# Altium PCB bqCNC.PcbDoc (part 3 of 6) (continued)
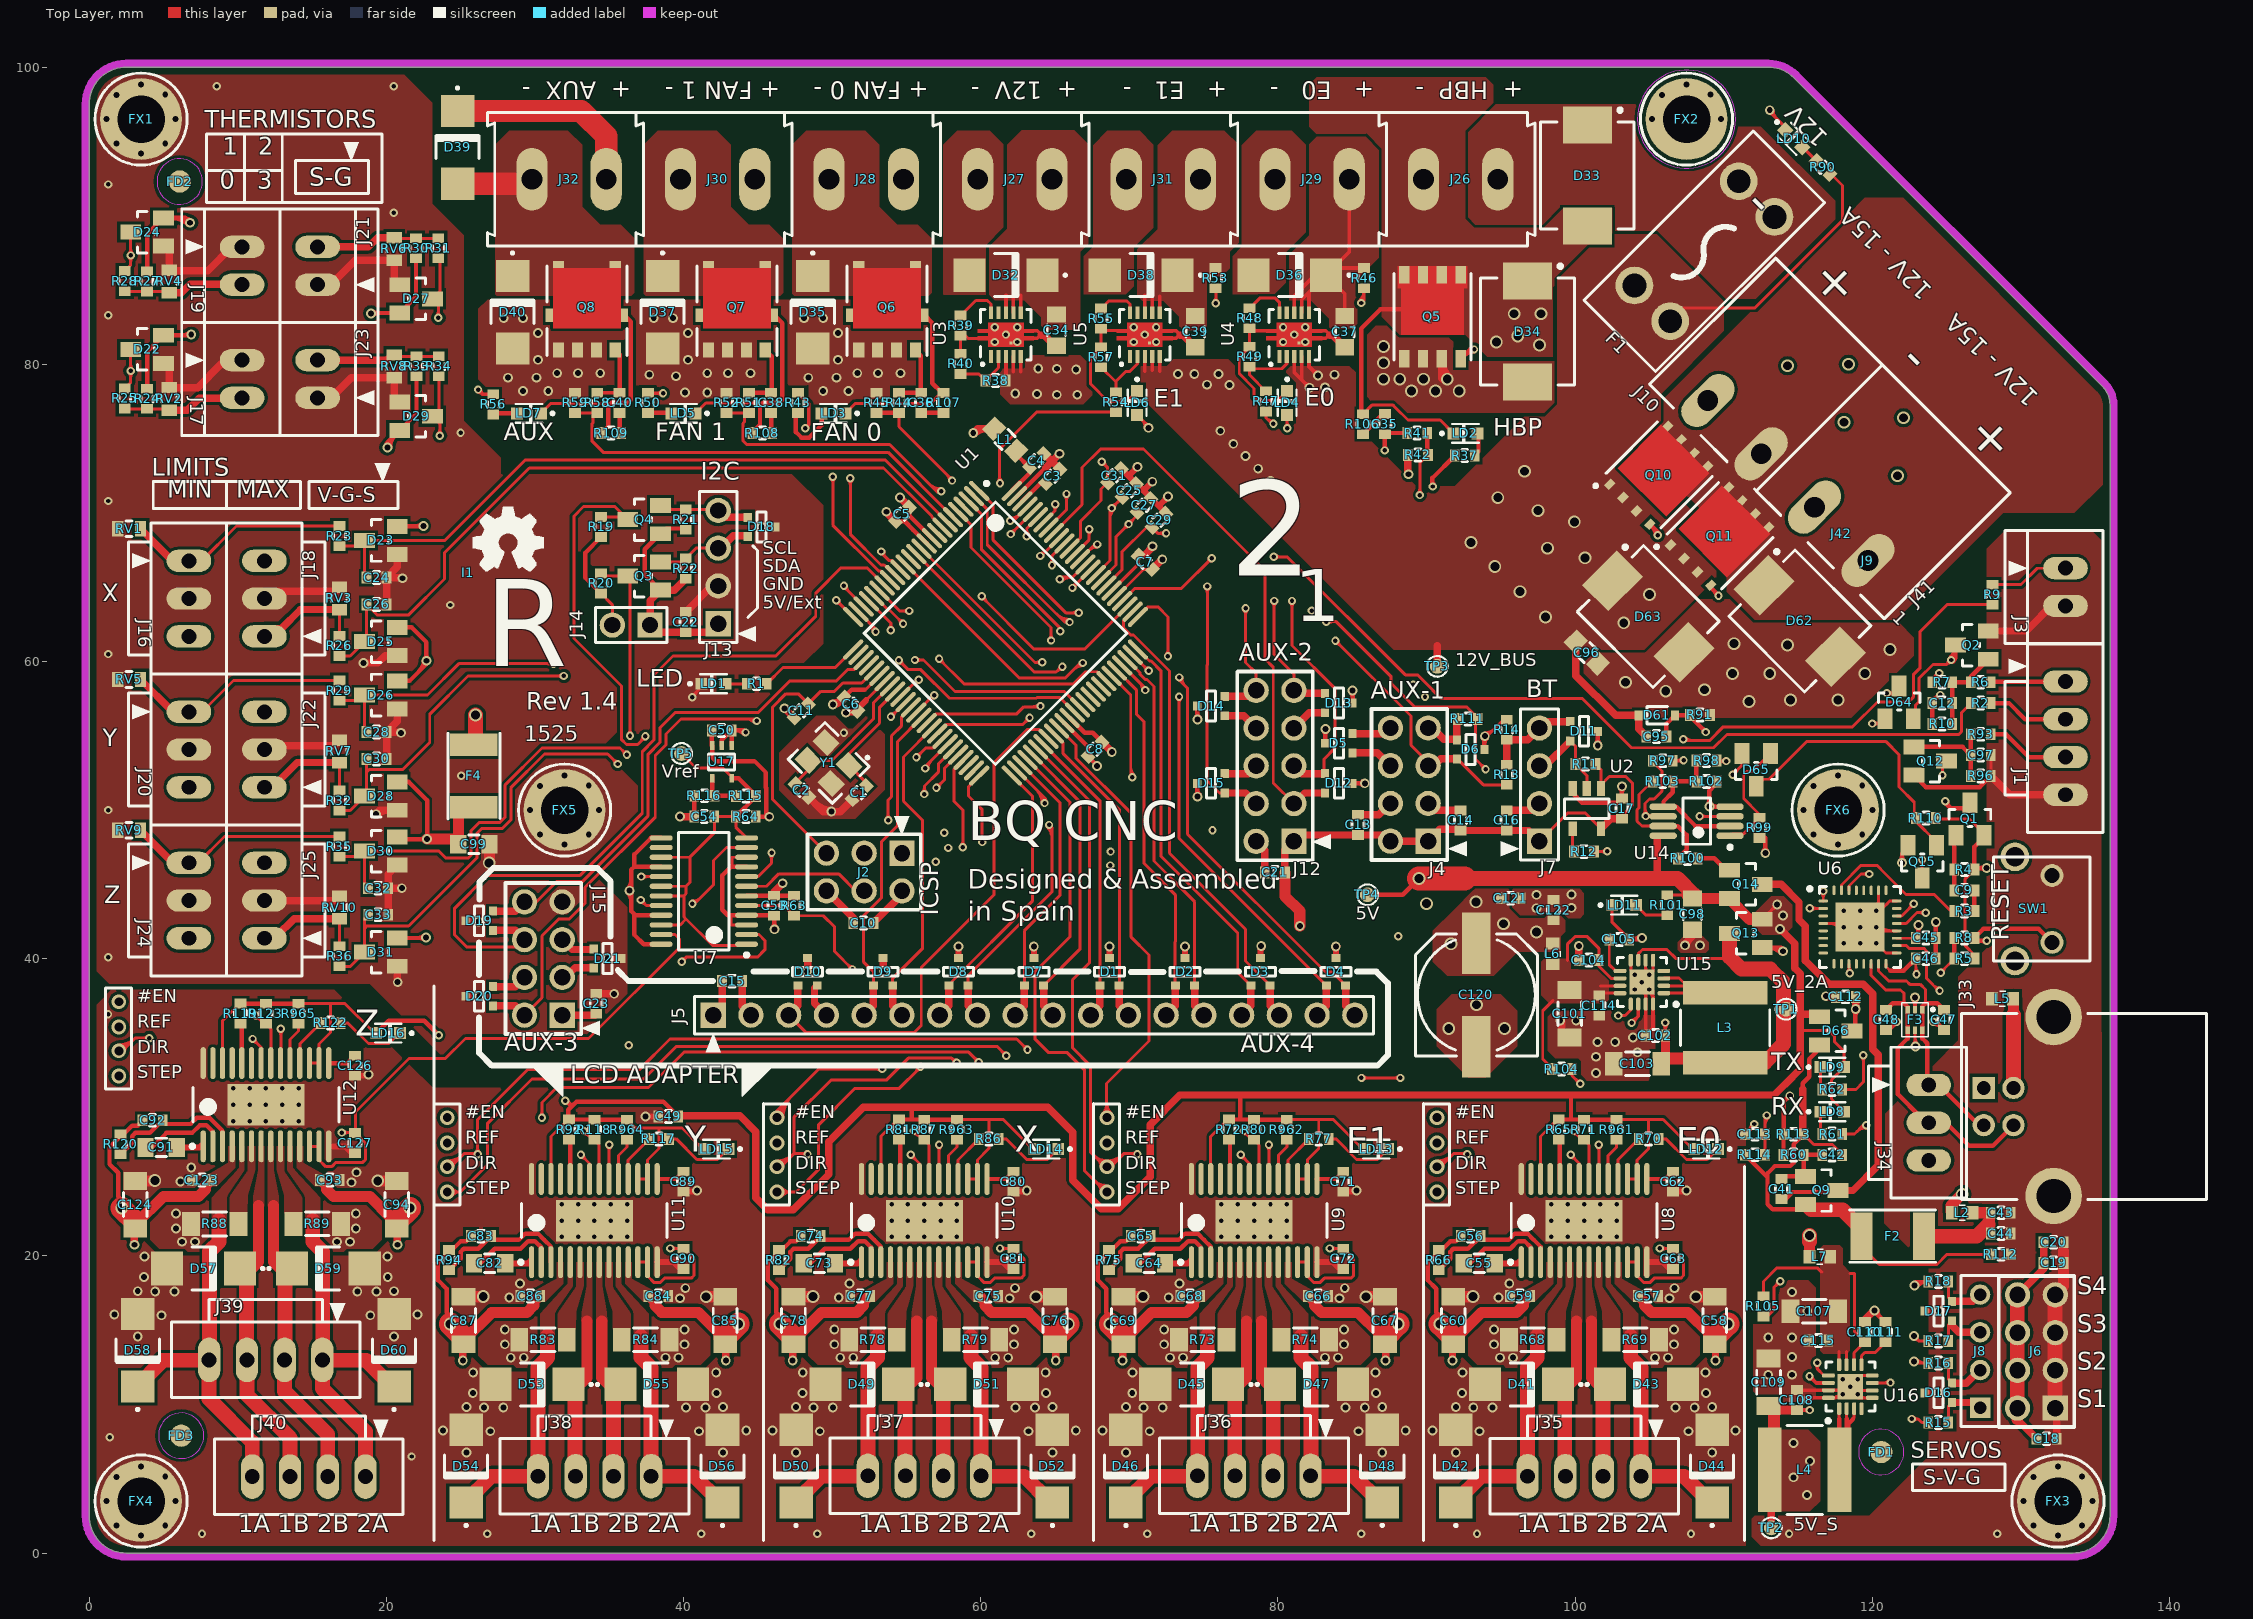
[diagram p0: Top Layer view]
## Nets (pads, with @x,y where several pads share a name; then routed paths per layer and width w, separated by ;. In a path a pad name is that pad's centre, name@x,y a point inside that pad or via, vN(x,y) a via of type N, cw(c..) or ccw(c..) an arc to the next point about the centre after c; other vN are vias at no path point) (continued)
EXT_RST: J1.1 R6.2 | length 5
  Top Layer w0.3: R6.2@127.975,58.6 128.025,58.65 J1.1@133,58.65
EXT_SCL: D18.1 J13.4 Q4.2 R21.2 | length 6.2
  Top Layer w0.2: Q4.2@38.45,70.5 38.9,70.5 39.175,70.225 R21.2@40.15,70.225 42.279,70.225 J13.4@42.34,70.164
  Top Layer w0.5: J13.4@42.34,70.164 42.804,69.7 D18.1@44.325,69.7
EXT_SDA: D18.2 J13.3 Q3.2 R22.2 | length 6.6
  Top Layer w0.2: Q3.2@38.45,66.7 39.925,66.7 R22.2@40.15,66.925 40.849,67.624 J13.3@42.34,67.624
  Top Layer w0.5: J13.3@42.34,67.624 42.524,67.624 43.35,68.45 44.275,68.45 D18.2@44.325,68.4
FANS_RAIL: C34.2 D32.K D39.K J27.1 J28.1 J30.1 J32.1 R43.2 R50.2 R56.2 U3.6 U3.7 U3.8 | length 64.8
  Top Layer w0.25: v2@26.175,78.145 cw(c26.175,77.771) 26.44,78.035 cw(c26.704,78.3) v2@26.33,78.3 ; v2(26.175,78.3) 26.5,77.975 R56.2@27.2,77.975 ; R50.2@37.6,78.075 37.625,78.05 v2(38.625,78.05) ; v2@38.515,77.94 ccw(c38.251,77.676) 38.251,78.05 ccw(c38.251,78.424) v2@38.515,78.16 ; R43.2@47.7,78.075 48.425,77.35 v2@48.425,75.925 ; v2(48.2,75.7) v2@48.425,75.925 ; v2@48.219,75.854 ccw(c48.249,76.101) v2@48.425,75.925 ; v2@48.354,75.719 cw(c48.601,75.749) v2@48.425,75.925 ; U3.8@61.7,83.475 61.7,84.65 ; U3.7@62.2,83.475 62.2,84.6 ; U3.6@62.7,83.475 62.7,84.625
  Top Layer w1.5: D39.K@24.8,97.05 33.1,97.05 34.8,95.35 J32.1@34.8,92.45
  Signal Layer 1 w0.25: v2(26.175,78.3) 28.975,81.1 34.6,81.1 35.4,81.9 ; v2@26.175,78.515 ccw(c26.175,79.034) 26.542,78.667 ccw(c26.909,78.3) v2@26.39,78.3 ; J32.1@34.8,92.45 35.4,91.85 35.4,81.9 ; v2@38.473,78.202 ccw(c38.106,78.569) 38.625,78.569 ccw(c39.144,78.569) v2@38.777,78.202 ; v2@38.625,77.835 cw(c38.625,77.316) 38.992,77.683 cw(c39.359,78.05) v2@38.84,78.05 ; v2@47.985,75.7 ccw(c47.466,75.7) 47.833,76.067 ccw(c48.2,76.434) v2@48.2,75.915 ; v2(48.2,75.7) 46.5,77.4 39.275,77.4 v2(38.625,78.05) 38.625,79.796 36.521,81.9 35.4,81.9
GND: C1.1 C2.1 C3.2 C4.1 C5.1 C6.1 C7.1 C8.1 C10.1 C11.1 C12.1 C13.2 C14.2 C15.2 C16.2 C17.1 C18.1 C19.1 C20.1 C21.1 C22.2 C23.1 C24.1 C25.1 C26.1 C27.1 C28.1 C29.1 C30.1 C31.1 C32.1 C33.1 C34.1 C37.1 C39.1 C43.1 C44.1 C45.1 C46.1 C47.1 C48.1 C49.1 C50.1 C53.1 C54.1 C57.1 C58.1 C59.1 C60.1 C62.1 C63.1 C66.1 C67.1 C68.1 C69.1 C71.1 C72.1 C75.1 C76.1 C77.1 C78.1 C80.1 C81.1 C84.1 C85.1 C86.1 C87.1 C89.1 C90.1 C93.1 C94.1 C96.1 C97.1 C98.1 C99.1 C101.1 C102.1 C103.1 C104.1 C105.1 C107.1 C108.1 C109.1 C110.1 C111.1 C112.1 C113.1 C114.1 C115.1 C120.2 C121.1 C122.1 C123.1 C124.1 C126.1 C127.1 D1.3 D2.3 D3.3 D4.3 D5.3 D6.3 D7.3 D8.3 D9.3 D10.3 D11.3 D12.3 D13.3 D14.3 D15.3 D16.3 D17.3 D18.3 D19.3 D20.3 D21.3 D22.1 D23.1 D24.1 D25.1 D26.1 D27.1 D28.1 D29.1 D30.1 D31.1 D32.A D34.A D35.A D36.A D37.A D38.A D40.A D41.A D42.A D43.A D44.A D45.A D46.A D47.A D48.A D49.A D50.A D51.A D52.A D53.A D54.A D55.A D56.A D57.A D58.A D59.A D60.A D62.A D63.A F3.2 FX1.1 FX2.1 FX3.1 FX4.1 FX5.1 FX6.1 J1.4 J2.6 J3.2 J4.3 J4.4 J5.2 J6.1 J6.3 J6.5 J6.7 J7.2 J10.2 J10.4 J12.2 J13.2 J15.7 J16.2 J17.1 J18.2 J19.1 J20.2 J21.1 J22.2 J23.1 J24.2 J25.2 J27.2 J29.2 J31.2 J33.5 J33.6 J42.2 L5.1 LD1.K LD4.K LD6.K LD10.K LD11.K Q2.2 Q5.1 Q5.2 Q5.3 Q6.1 Q6.2 Q6.3 Q7.1 Q7.2 Q7.3 Q8.1 Q8.2 Q8.3 Q12.2 Q15.2 R10.1 R14.1 R39.1 R40.1 R42.1 R45.1 R48.1 R49.1 R52.1 R55.1 R57.1 R59.1 R68.1 R69.1 R73.1 R74.1 R78.1 R79.1 R83.1 R84.1 R88.1 R89.1 R91.1 R96.2 R102.1 R112.2 R116.1 RV1.1 RV2.1 RV3.1 RV4.1 RV5.1 RV6.1 RV7.1 RV8.1 RV9.1 RV10.1 SW1.1 U1.11 U1.32 U1.62 U1.81 U1.99 U2.3 U3.11 U4.11 U5.11 U6.4 U6.17 U6.20 U6.24 U6.26 U6.33 U7.3 U7.4 U7.9 U7.10 U7.13 U7.16 U7.21 U7.24 U8.14 U8.28 U8.29 U9.14 U9.28 U9.29 U10.14 U10.28 U10.29 U11.14 U11.28 U11.29 U12.14 U12.28 U12.29 U14.4 U15.5 U15.6 U15.8 U15.15 U15.16 U16.5 U16.6 U16.8 U16.15 U16.16 U17.1 U17.2 Y1.2 Y1.4 | length 391
  Top Layer w0.2: v2(40.6,57.6) 40.6,57.7 LD1.K@41.4,58.5 ; v2@40.78,57.6 cw(c41.456,57.6) 40.978,58.078 ; 43.175,42.925 43.2,42.9 43.2,42.275 U7.3@44.25,42.275 ; 43.175,46.175 43.275,46.275 43.275,46.825 U7.10@44.25,46.825 ; v1(45.25,69.05) D18.3@46.175,69.05 ; v1@45.413,68.887 cw(c45.805,68.495) 45.805,69.05 cw(c45.805,69.605) v1@45.413,69.213 ; 52.3,57.4 53.54,58.64 U1.32@53.54,58.683 ; R40.1@58.65,80.7 58.65,81.931 R39.1@58.652,81.933 58.967,81.933 59.15,81.75 60.125,81.75 ; U1.81@68.814,64.764 70.599,66.549 C7.1@70.599,67.15 ; 69.375,82.275 68.45,82.275 68.325,82.4 R55.1@68.1,82.4 R57.1@68.1,81.15 67.4,80.45 67.4,78.676 68.576,77.5 69.825,77.5 LD6.K@70.525,78.2 ; C31.1@69.475,72.975 C31.1@69.477,72.977 ; R48.1@78.1,82.425 R49.1@78.1,81.175 77.4,80.475 77.4,79.376 78.4,78.376 78.4,77.826 78.676,77.55 79.975,77.55 LD4.K@80.625,78.2 ; v1@93.85,54.975 94.075,54.975 95.175,56.075 R14.1@95.4,56.075 ; v1@93.925,55.005 ccw(c93.925,55.44) v1@94.232,55.132 ; v1@93.925,55.205 ccw(c93.925,56.122) 94.574,55.474 ; LD11.K@102.5,43.6 102.5,42.45 C105.1@103.65,41.3 ; U15.8@103.75,39.9 U15.16@103.75,39.25 ; U15.16@103.821,39.179 ccw(c104,39.358) U15.16@104,39.105 ; U15.16@103.826,38.97 ccw(c103.544,39.044) U15.16@103.75,39.25 ; U15.16@104,39 U15.16@103.75,39.25 ; v2(104.5,38.425) v2(105,38.925) U15.16@105.25,39.175 ; U15.16@104.5,38.605 ccw(c104.5,39.04) 104.807,38.732 ccw(c105.115,38.425) U15.16@104.68,38.425 ; U15.16@104.577,38.599 ccw(c104.325,39.036) U15.16@104.822,38.954 ; U15.16@104.674,38.502 cw(c105.111,38.25) U15.16@105.029,38.747 ; U15.16@104.75,38.925 U15.6@104.75,39.9 ; 104.75,39.446 ccw(c105.476,39.446) U15.16@104.987,38.91 ; U15.16@104.82,38.925 cw(c104.385,38.925) 104.693,38.618 cw(c105,38.31) U15.16@105,38.745 ; U15.16@105.013,38.91 ccw(c104.524,39.446) 105.25,39.446 ; U15.16@105.028,39.103 ccw(c105.068,39.357) U15.16@105.25,39.175 ; U15.16@105.178,38.953 cw(c105.432,38.993) U15.16@105.25,39.175 ; U15.5@105.25,39.9 U15.16@105.25,39.175 ; v1@113.1,96.87 cw(c113.1,96.556) 113.322,96.778 ; v1(113.1,97.1) 113.1,97 114.145,95.955 LD10.K@114.145,95.738 ; v1@113.33,97.1 ccw(c114.127,97.1) 113.563,96.537 ; U6.4@116.7,42.375 U6.33@118.925,42.375 ; 117.037,42.375 cw(c117.037,41.087) U6.33@117.948,41.998 ; 117.52,42.375 cw(c117.52,41.57) U6.33@118.089,42.139 ; U6.33@118.059,42.137 cw(c118.53,41.791) U6.33@118.53,42.375 ; U6.33@118.137,42.375 cw(c118.137,41.087) U6.33@119.048,41.998 ; U6.33@118.22,42.018 cw(c118.925,41.5) U6.33@118.925,42.375 ; U6.33@118.62,42.375 cw(c118.62,41.57) U6.33@119.189,42.139 ; U16.16@118.8,10.7 119.05,10.45 U16.5@120,10.45 ; U6.33@118.997,42.153 ccw(c118.743,42.193) U6.33@118.925,42.375 ; U16.16@119.01,10.687 ccw(c119.546,11.176) 119.546,10.45 ; U16.16@119.01,10.713 cw(c119.546,10.224) 119.546,10.95 ; U16.16@119.025,10.95 U16.6@120,10.95 ; U16.16@119.1,11.95 U16.8@120,11.95 ; U6.33@119.147,42.303 cw(c119.107,42.557) U6.33@118.925,42.375 ; U6.33@119.161,42.111 ccw(c119.73,42.68) U6.33@119.73,41.875 ; U6.33@119.175,41.945 cw(c119.175,41.51) 119.482,41.818 cw(c119.79,42.125) U6.33@119.355,42.125 ; U6.33@119.175,42.105 ccw(c119.175,42.66) U6.33@119.568,42.268 ; U6.33@119.175,42.305 ccw(c119.175,43.343) U6.33@119.909,42.609 ; U6.33@119.302,42.252 ccw(c120.213,43.163) U6.33@120.213,41.875 ; U6.33@119.791,42.491 ccw(c119.057,43.225) U6.33@120.095,43.225 ; U6.33@119.82,41.875 ccw(c119.82,42.459) U6.33@120.291,42.113 ; U6.33@120.095,41.025 ccw(c119.66,41.025) 119.968,41.332 ccw(c120.275,41.64) U6.33@120.275,41.205 ; U6.33@120.13,42.232 cw(c119.425,42.75) U6.33@119.425,41.875 ; U6.33@120.132,42.832 ccw(c119.74,43.225) U6.33@120.295,43.225 ; U6.33@120.148,43.352 ccw(c119.478,44.022) 120.425,44.022 ; U6.33@120.261,42.111 ccw(c120.83,42.68) 120.83,41.875 ; U6.33@120.275,40.845 cw(c120.275,40.41) 120.582,40.718 cw(c120.89,41.025) U6.33@120.455,41.025 ; U6.33@120.275,43.205 ccw(c120.275,43.76) U6.33@120.668,43.368 ; U6.33@120.275,43.405 ccw(c120.275,44.443) 121.009,43.709 ; U6.33@120.289,43.211 ccw(c119.961,43.539) U6.33@120.425,43.539 ; U6.33@120.402,42.252 ccw(c121.313,43.163) 121.313,41.875 ; U6.33@120.425,43.375 U6.26@120.425,44.6 ; U6.17@121.65,40.375 120.925,40.375 v2(120.275,41.025) U6.33@119.425,41.875 ; U6.20@121.65,41.875 U6.33@119.425,41.875 ; U6.24@121.65,43.875 121.175,43.875 119.425,42.125 v2(119.175,42.125) ; R96.2@127.975,52.3 C97.1@127.975,53.7 ; U6.33@118.925,42.375 v2(119.175,42.125) ; v2(119.175,42.125) U6.33@119.425,41.875 ; U6.33@119.425,41.875 ccw(c119.243,41.693) 119.203,41.947 cw(c119.243,41.693) U6.33@119.425,41.875 ; U6.33@119.425,41.875 cw(c119.607,42.057) 119.353,42.097 ccw(c119.607,42.057) U6.33@119.425,41.875
  Top Layer w0.25: 63.275,81.75 63.8,81.75 64.05,82 ; 63.3,82.25 63.8,82.25 64.05,82 ; 64.075,81.95 64.05,81.975 64.05,82 ; 72.625,81.75 73.15,81.75 73.4,82 ; 72.65,82.25 73.15,82.25 73.4,82 ; 73.425,81.95 73.4,81.975 73.4,82 ; R48.1@78.1,82.425 78.325,82.425 78.5,82.25 79.325,82.25 ; 82.7,81.75 83.225,81.75 83.475,82 ; 82.725,82.25 83.225,82.25 83.475,82 ; 83.5,81.95 83.475,81.975 83.475,82 ; U15.16@104.39,38.315 cw(c103.522,37.447) 104.75,37.447 ; U15.16@104.463,38.274 cw(c104.314,37.665) U15.16@104.857,37.979 ; U15.16@104.466,38.274 cw(c104.332,37.678) U15.16@104.861,37.983 ; v2(104.5,38.425) U15.16@104.75,38.175 ; U15.16@104.506,38.27 cw(c104.52,37.945) U15.16@104.75,38.175 ; U15.16@104.511,38.27 cw(c104.531,37.987) U15.16@104.776,38.129 ; U15.16@104.516,38.271 cw(c104.543,38.021) U15.16@104.76,38.147 ; U15.16@104.567,38.492 cw(c104.126,38.051) U15.16@104.75,38.051 ; U15.16@104.651,38.459 ccw(c105.247,38.593) U15.16@104.942,38.064 ; U15.16@104.651,38.462 ccw(c105.26,38.611) U15.16@104.946,38.068 ; U15.16@104.654,38.409 ccw(c104.904,38.382) U15.16@104.778,38.165 ; U15.16@104.655,38.414 ccw(c104.938,38.394) U15.16@104.796,38.149 ; U15.16@104.655,38.419 ccw(c104.98,38.405) U15.16@104.75,38.175 ; C102.1@104.725,34.825 C102.1@104.75,34.85 ; 104.75,37.551 cw(c105.374,37.551) U15.16@104.933,37.992 ; U15.16@104.845,37.925 ccw(c104.471,37.925) 104.735,38.19 ccw(c105,38.454) U15.16@105,38.08 ; U15.16@104.845,37.931 ccw(c104.52,37.945) U15.16@104.75,38.175 ; U15.16@104.953,37.777 cw(c104.836,37.406) 105.225,37.406 ; U15.16@104.994,38.08 cw(c104.98,38.405) U15.16@104.75,38.175 ; U15.16@105.029,38.016 cw(c104.944,37.748) U15.16@105.225,37.748 ; U15.16@105.225,37.8 105.225,37.458 105.25,37.433 U15.16@105.25,36.95 105.25,35.35 C102.1@104.75,34.85 ; C108.1@114.925,10.975 C108.1@114.95,10.95 ; 117.547,10.95 ccw(c117.547,12.178) U16.16@118.415,11.31 ; 117.652,10.95 cw(c117.652,10.328) U16.16@118.092,10.767 ; U16.16@117.874,10.734 cw(c117.583,10.798) 117.583,10.5 ; U16.16@118.025,10.855 ccw(c118.025,11.229) 118.29,10.965 ccw(c118.554,10.7) U16.16@118.18,10.7 ; U16.16@118.031,10.855 ccw(c118.045,11.18) U16.16@118.275,10.95 ; U16.16@118.079,10.843 ccw(c117.765,11.386) U16.16@118.374,11.237 ; U16.16@118.083,10.839 ccw(c117.778,11.368) U16.16@118.374,11.234 ; U16.16@118.151,10.95 ccw(c118.151,11.574) U16.16@118.592,11.133 ; U16.16@118.164,10.758 cw(c118.693,10.453) U16.16@118.559,11.049 ; U16.16@118.168,10.754 cw(c118.711,10.44) U16.16@118.562,11.049 ; U16.16@118.18,10.706 cw(c118.505,10.72) U16.16@118.275,10.95 ; U16.16@118.2,10.5 117.583,10.5 ; U16.16@118.229,10.924 ccw(c118.087,11.169) U16.16@118.37,11.189 ; U16.16@118.247,10.94 ccw(c118.121,11.157) U16.16@118.371,11.184 ; U16.16@118.249,10.904 cw(c118.494,10.762) U16.16@118.514,11.045 ; U16.16@118.265,10.922 cw(c118.482,10.796) U16.16@118.509,11.046 ; U16.16@118.37,11.194 cw(c118.045,11.18) U16.16@118.275,10.95 ; U16.16@118.519,11.045 ccw(c118.505,10.72) U16.16@118.275,10.95 ; v2(118.525,11.2) U16.16@118.275,10.95 ; C102.1@104.75,34.85 U15.15@104.75,36.95 U15.16@104.75,38.175 ; C108.1@114.95,10.95 115.45,10.45 U16.16@117.05,10.45 117.533,10.45 117.583,10.5 ; C108.1@114.95,10.95 U16.15@117.05,10.95 U16.16@118.275,10.95
  Top Layer w0.3: v1@36.248,44.448 cw(c35.651,43.851) 36.495,43.851 ; v1@36.248,44.702 ccw(c35.651,45.299) 36.495,45.299 ; v1(36.375,44.575) 36.275,44.675 v1@36.495,44.675 ; U7.24@38.5,40.975 37.325,40.975 36.7,41.6 36.7,43 ; U7.21@38.5,42.925 36.775,42.925 36.7,43 ; U7.16@38.5,46.175 36.725,46.175 36.7,46.2 ; U7.13@38.5,48.125 37.808,48.125 36.7,47.017 36.7,46.2 ; C54.1@40.722,49.56 40.722,50.947 R116.1@40.75,50.975 ; U17.2@42.585,54.344 42.585,54.735 C50.1@43.175,55.325 ; U17.1@43.25,54.325 43.244,54.331 C50.1@43.244,55.365 44.01,55.365 v2@44.125,55.25 ; C50.1@43.523,55.365 cw(c43.523,54.573) v2@44.083,55.133 ; U7.9@44.25,46.175 43.175,46.175 42.6,45.6 42.6,43.3 42.975,42.925 43.175,42.925 U7.4@44.25,42.925 45.657,42.925 C53.1@46.097,42.885 46.097,42.003 v1(46.125,41.975) ; v1@45.998,42.102 ccw(c45.758,42.342) v1@46.097,42.342 ; 46.097,42.477 ccw(c46.627,42.477) v1@46.252,42.102 ; C5.1@54.255,69.433 54.881,69.433 55.443,68.871 U1.11@56.368,67.946 ; U1.99@62.45,71.128 64.375,73.053 ; U1.62@65.985,56.208 66.996,55.196 67.544,55.196 C8.1@68.172,54.569 ; v1@74.473,51.027 ccw(c74.226,51.274) 74.575,51.274 ; v1@74.473,56.227 ccw(c74.226,56.474) 74.575,56.474 ; 74.575,51.395 ccw(c75.095,51.395) v1@74.727,51.027 ; D15.3@74.575,51.8 74.575,50.925 v1(74.6,50.9) ; 74.575,56.595 ccw(c75.095,56.595) v1@74.727,56.227 ; D14.3@74.575,57 74.575,56.225 74.6,56.2 v1@74.6,56 ; v1@83.073,55.323 cw(c82.826,55.076) 83.175,55.076 ; D5.3@83.175,54.5 83.175,55.425 v1(83.2,55.45) ; 83.175,54.955 cw(c83.695,54.955) v1@83.327,55.323 ; v1@84.898,57.923 cw(c84.59,57.615) 85.025,57.615 cw(c85.46,57.615) v1@85.152,57.923 ; D12.3@85.025,51.8 v1(85.85,51.8) ; D13.3@85.025,57.2 v1(85.025,58.05) ; v1@85.723,51.673 ccw(c85.415,51.365) 85.415,51.8 ccw(c85.415,52.235) v1@85.723,51.927 ; v1@93.798,54.848 cw(c93.551,54.601) 93.9,54.601 ; D6.3@93.9,54.078 v1@93.9,54.996 ; 93.9,54.48 cw(c94.42,54.48) v1@94.052,54.848 ; U2.3@99.84,51.446 99.84,51.126 100.466,50.5 102.875,50.5 C17.1@103.15,50.775 v1@103.15,51.625 ; v1@101.398,54.477 ccw(c101.09,54.785) 101.525,54.785 ccw(c101.96,54.785) v1@101.652,54.477 ; v1(101.525,54.35) D11.3@101.525,55.3 ; v1@103.023,51.473 cw(c102.715,51.165) 103.15,51.165 cw(c103.585,51.165) v1@103.277,51.473 ; C105.1@103.65,41.3 104.4,41.3 v1(104.5,41.4) ; C105.1@103.824,41.3 ccw(c103.824,42.076) v1@104.373,41.527 ; v1@108.923,50.377 ccw(c108.676,50.624) 109.025,50.624 ; 109.025,50.745 ccw(c109.545,50.745) 109.177,50.377 ccw(c109.545,50.745) U14.4@109.545,50.225 ; v1@109.177,50.123 cw(c109.424,49.876) 109.424,50.225 ; R102.1@109.375,51.65 109.025,51.3 109.025,50.25 109.05,50.225 U14.4@110.425,50.225 ; C113.1@111.432,28.185 112.05,28.803 v2(112.05,28.875) ; 111.777,28.53 ccw(c111.432,28.875) v2@111.92,28.875 ; v1@120.3,16.1 C111.1@120.85,15.55 ; v1@120.33,16.325 ccw(c120.946,16.325) 120.51,15.89 ; C48.1@120.925,35.2 121.1,35.2 v2(121.65,35.75) ; v2@121.52,35.75 cw(c121.206,35.75) 121.428,35.528 cw(c121.65,35.306) v2@121.65,35.62 ; v1@121.873,46.577 ccw(c121.565,46.885) 122,46.885 ccw(c122.435,46.885) v1@122.127,46.577 ; v1(122,46.45) 122,47.05 122.365,47.415 Q15.2@122.365,47.781 ; v1@122.748,37.273 cw(c122.44,36.965) 122.875,36.965 cw(c123.31,36.965) v1@123.002,37.273 ; Q12.2@122.8,52.35 123.6,51.55 127.225,51.55 R96.2@127.975,52.3 ; F3.2@122.875,36.575 v1(122.875,37.4) ; C12.1@123.975,57.2 C12.1@124,57.2 ; C12.1@124,57.275 124.475,57.75 v2(124.575,57.75) ; R10.1@124.025,55.8 C12.1@124.025,57.2 ; v2@124.1,35.62 cw(c124.1,34.884) C47.1@124.621,35.404 ; v2(124.1,35.75) 124.125,35.725 124.3,35.725 C47.1@124.825,35.2 ; v1@124.148,42.348 cw(c123.84,42.04) 124.275,42.04 cw(c124.71,42.04) v1@124.402,42.348 ; C12.1@124.182,57.457 cw(c124.575,57.065) v2@124.575,57.62 ; C46.1@124.275,40 C45.1@124.275,41.4 v1(124.275,42.475) ; v1@36.495,44.675 36.495,45.995 36.7,46.2 ; v1@36.495,44.675 36.495,43.205 36.7,43
  Top Layer w0.4: U12.14@16.129,27.375 17.225,27.375 C127.1@17.7,26.9 ; C127.1@17.9,26.921 C127.1@18.021,26.921 ; C126.1@17.9,32.121 18.721,32.121 v1(18.8,32.2) ; v1(37.435,29.385) C49.1@38.306,29.385 ; U11.14@38.229,19.575 39.325,19.575 C90.1@39.8,19.1 ; C90.1@40,19.121 C90.1@40.121,19.121 ; C89.1@40,24.321 40.821,24.321 v1(40.9,24.4) ; v1(50.925,56.55) 50.9,56.575 51.68,56.575 C6.1@51.755,56.65 51.755,56.855 52.3,57.4 ; v1@51.017,56.458 cw(c51.299,56.176) C6.1@51.299,56.575 ; v1(53.5,39.15) v1@53.65,39.15 ; v1@58.408,40.733 cw(c58.162,40.487) v1@58.51,40.487 ; v1@58.475,40.85 58.475,40.825 58.51,40.79 D8.3@58.51,40.046 ; U10.14@60.429,19.575 61.525,19.575 C81.1@62,19.1 ; C81.1@62.2,19.121 C81.1@62.321,19.121 ; C80.1@62.2,24.321 63.021,24.321 v1(63.1,24.4) ; v1@63.483,40.733 cw(c63.225,40.475) v1@63.59,40.475 ; v1(63.575,40.825) 63.59,40.81 D7.3@63.59,40.046 ; D1.3@68.67,40.046 68.67,40.77 68.725,40.825 v1@68.725,40.9 ; C31.1@69.475,72.975 69.975,72.475 ; v1@70.31,72.835 ccw(c70.046,73.1) v1@70.42,73.1 ; v1@70.6,73.075 70.55,73.075 69.975,72.5 69.975,72.475 ; v1(71.55,72.1) 70.962,71.512 70.938,71.512 ; v1@72.36,70.835 ccw(c72.096,71.1) v1@72.47,71.1 ; C29.1@72.477,69.977 72.473,69.977 71.987,70.463 ; v1(72.6,71.1) 72.625,71.1 71.987,70.463 ; v1@73.725,40.9 73.725,40.825 73.7,40.8 73.75,40.75 D2.3@73.75,40.046 ; v1@78.825,40.725 78.825,40.775 78.83,40.77 D3.3@78.83,40.046 ; 78.83,40.428 cw(c79.297,40.428) v1@78.967,40.758 ; U9.14@82.629,19.575 83.725,19.575 C72.1@84.2,19.1 ; v1@83.808,40.733 cw(c83.562,40.487) v1@83.91,40.487 ; D4.3@83.91,40.046 83.91,40.79 83.9,40.8 83.95,40.85 v1@84.025,40.85 ; C72.1@84.4,19.121 C72.1@84.521,19.121 ; C71.1@84.4,24.321 85.221,24.321 v1(85.3,24.4) ; U8.14@104.829,19.575 105.925,19.575 C63.1@106.4,19.1 ; C63.1@106.6,19.121 C63.1@106.721,19.121 ; C62.1@106.6,24.321 107.421,24.321 v1(107.5,24.4) ; 69.975,72.475 70.938,71.512 ; 70.938,71.512 71.987,70.463
  Top Layer w0.5: D22.1@5,80.05 5.4,79.65 RV2.1@5.4,78.434 7.314,78.434 8.906,80.026 J17.1@10.3,80.026 ; D24.1@5,87.95 5.4,87.55 RV4.1@5.4,86.334 5.434,86.3 8,86.3 9.6,87.9 J19.1@10.3,87.9 ; J24.2@5.788,43.912 J24.2@6.466,43.912 ; J20.2@5.874,54.326 J20.2@6.466,54.326 ; J16.2@5.96,64.74 J16.2@6.466,64.74 ; J25.2@11.8,43.912 16.552,43.912 RV10.1@16.843,44.203 ; J22.2@11.8,54.326 16.466,54.326 RV7.1@16.843,54.703 ; J18.2@11.8,64.74 16.58,64.74 RV3.1@16.843,65.003 ; J23.1@15.634,77.486 16.018,77.486 17.632,79.1 RV8.1@20.534,79.1 20.534,77.816 D29.1@20.9,77.45 ; J21.1@15.634,85.36 16.272,85.36 17.912,87 RV6.1@20.534,87 20.534,85.716 D27.1@20.9,85.35 ; v1(18.475,59.9) 19.425,59.9 19.918,60.393 D25.1@20.743,60.393 ; v1(19.3,49.725) 19.568,49.993 D28.1@20.743,49.993 ; v1@19.357,49.668 cw(c20.14,48.885) D28.1@20.14,49.993 ; C30.1@20.018,53.443 C28.1@20.018,55.243 ; C26.1@20.018,63.843 C24.1@20.018,65.643 ; C33.1@20.132,42.957 20.118,42.971 C32.1@20.118,44.743 ; D31.1@20.743,39.493 20.743,38.418 v1(20.768,38.418) ; D30.1@20.743,46.293 20.118,45.668 C32.1@20.118,44.743 ; D26.1@20.743,56.793 20.743,55.968 C28.1@20.018,55.243 ; D23.1@20.743,67.193 20.743,66.368 C24.1@20.018,65.643 ; v1(21,55.2) 20.957,55.243 C28.1@20.018,55.243 ; v1(21.043,44.743) C32.1@20.118,44.743 ; v1(21.1,65.6) 21.057,65.643 C24.1@20.018,65.643 ; D20.3@25.327,37.47 26.245,37.47 v1(26.275,37.5) ; D19.3@25.327,42.55 26.15,42.55 v1(26.2,42.5) ; C23.1@34.126,37.637 v1(35.337,37.637) ; v1(34.9,40.025) 34.915,40.01 D21.3@35.813,40.01 ; v1(39.775,49.575) 39.79,49.56 C54.1@40.722,49.56 ; C22.2@40.15,63.325 41.909,65.084 J13.2@42.34,65.084 ; C15.2@43.945,38.486 43.945,36.795 J5.2@44.54,36.2 ; v1(46.8,56.85) 46.8,56.845 C11.1@47.448,56.198 ; v1(48.325,39.15) 48.35,39.175 D10.3@48.35,40.046 ; C2.1@48.452,50.848 49.4,49.9 v1(49.95,49.9) 50.55,49.9 C1.1@51.348,50.698 ; 48.875,50.425 ccw(c49.95,51.501) v1@49.95,49.98 ; J2.6@49.62,44.56 51.433,42.747 C10.1@51.433,42.398 ; v1@53.43,39.512 ccw(c53.862,39.512) v1@53.557,39.207 ; D9.3@53.43,40.046 53.43,39.22 v1(53.5,39.15) ; v1(53.65,70.075) 53.65,70.038 C5.1@54.255,69.433 ; 64.075,81.95 64.275,81.95 C34.1@65.075,81.15 ; C4.1@64.254,73.996 64.775,73.475 64.793,73.475 ; 64.375,73.053 64.378,73.053 64.8,73.475 ; v1(65.303,73.979) 64.8,73.475 ; C3.2@65.329,72.939 64.797,73.472 64.793,73.475 ; C8.1@68.172,54.569 68.825,53.915 v1(68.825,53.9) ; C7.1@70.599,67.15 71.025,67.15 71.55,67.675 71.625,67.675 71.553,67.747 v1(71.553,67.753) ; 73.425,81.95 73.625,81.95 C39.1@74.425,81.15 ; J12.2@78.539,47.898 79.125,47.312 C21.1@79.125,45.8 ; 83.5,81.95 83.7,81.95 C37.1@84.5,81.15 ; C13.2@85.4,49.675 86.795,49.675 J4.4@87.56,50.44 ; R42.1@88.75,73.9 88.75,72.55 v1(88.8,72.6) ; J4.3@90.1,50.44 90.565,49.975 C14.2@92.3,49.975 ; Q5.3@91.035,80.316 ccw(c92.716,80.316) v3@91.527,79.127 ; Q5.3@91.035,80.375 91.035,79.065 v3@91.1,79 ; C16.2@95.4,49.975 97.135,49.975 J7.2@97.6,50.44 ; v1(99,35.85) 99.1,35.75 C101.1@99.1,34.5 ; C104.1@100.25,39.9 v1(100.25,40.85) ; v1(107.4,40.9) 107.4,41 107.9,41.5 C98.1@107.9,41.95 ; v1@107.48,40.9 cw(c107.915,40.9) 107.607,41.207 ; v1@116.975,37.45 117.548,37.45 C112.1@117.532,37.434 ; C110.1@119.5,15.55 119.5,15.7 120.1,16.3 v1@120.15,16.3 ; D16.3@123.523,10.784 124.384,10.784 v1(124.4,10.8) ; D17.3@123.523,16.284 v1(124.484,16.284) ; Q2.2@127.8,62.05 130.35,62.05 132.31,64.01 J3.2@133.075,64.01 ; R96.2@127.975,52.3 129.245,51.03 J1.4@133,51.03 ; C18.1@132.405,7.694 J6.1@132.405,9.675 ; 64.793,73.475 64.8,73.475
  Top Layer w0.75: C124.1@3.104,25.05 v3@4.45,25.05 ; v3@19.4,25.05 C94.1@20.704,25.05 ; C87.1@25.204,17.25 v3@26.55,17.25 ; v3(26.925,46.45) 26.95,46.475 C99.1@26.95,47.7 ; v3@41.5,17.25 C85.1@42.804,17.25 ; C78.1@47.404,17.25 v3@48.75,17.25 ; v3@63.7,17.25 C76.1@65.004,17.25 ; C69.1@69.604,17.25 v3@70.95,17.25 ; v3@85.9,17.25 C67.1@87.204,17.25 ; C60.1@91.804,17.25 v3@93.15,17.25 ; v3@108.1,17.25 C58.1@109.404,17.25 ; J6.7@132.3,17.4 132.873,17.973 C19.1@132.873,19.534 132.873,20.327
  Top Layer w1: J6.7@132.3,17.4 132.3,9.78 J6.1@132.405,9.675
  other v1: 3.5,1.175 132.5,1.175 1.85,1.85 5.125,1.85 130.85,1.85 134.125,1.85 1.175,3.5 5.825,3.5 130.175,3.5 134.825,3.5 1.85,5.125 130.85,5.125 5.125,5.15 134.125,5.15 3.5,5.825 132.5,5.825 25.4,6.775 42.65,6.775 47.575,6.775 64.825,6.775 69.775,6.775 87.025,6.775 91.975,6.775 109.225,6.775 27,8.2 41.05,8.2 49.175,8.2 63.225,8.2 71.375,8.2 85.425,8.2 93.575,8.2 107.625,8.2 23.825,8.25 44.225,8.25 46,8.25 66.4,8.25 68.2,8.25 88.6,8.25 90.4,8.25 110.8,8.25 26.575,9.8 27.875,9.8 40.175,9.8 41.475,9.8 48.75,9.8 50.05,9.8 62.35,9.8 63.65,9.8 70.95,9.8 72.25,9.8 84.55,9.8 85.85,9.8 93.15,9.8 94.45,9.8 106.75,9.8 108.05,9.8 25.4,9.825 42.65,9.825 47.575,9.825 64.825,9.825 69.775,9.825 87.025,9.825 91.975,9.825 109.225,9.825 25.825,10.775 42.225,10.775 48,10.775 64.4,10.775 70.2,10.775 86.6,10.775 92.4,10.775 108.8,10.775 113,12 114.6,12 25.85,12.15 42.2,12.15 48.025,12.15 64.375,12.15 70.225,12.15 86.575,12.15 92.425,12.15 108.775,12.15 28.375,13.15 29.25,13.15 38.8,13.15 39.675,13.15 50.55,13.15 51.425,13.15 60.975,13.15 61.85,13.15 72.75,13.15 73.625,13.15 83.175,13.15 84.05,13.15 94.95,13.15 95.825,13.15 105.375,13.15 106.25,13.15 114.6,13.2 27.975,14.05 40.075,14.05 50.15,14.05 62.25,14.05 72.35,14.05 84.45,14.05 94.55,14.05 106.65,14.05 113,14.5 114.6,14.5 3.275,14.575 20.525,14.575 27.975,15.05 40.075,15.05 50.15,15.05 62.25,15.05 72.35,15.05 84.45,15.05 94.55,15.05 106.65,15.05 4.875,16 18.925,16 1.7,16.05 22.1,16.05 115.625,16.3 120.15,16.325 39.775,17.15 61.95,17.15 84.15,17.15 106.35,17.15 28.275,17.2 50.45,17.2 72.65,17.2 94.85,17.2 114.6,17.575 4.45,17.6 5.75,17.6 18.05,17.6 19.35,17.6 3.275,17.625 20.525,17.625 40.125,17.825 62.3,17.825 84.5,17.825 106.7,17.825 29,18.15 51.175,18.15 73.375,18.15 95.575,18.15 3.7,18.575 20.1,18.575 3.725,19.95 20.075,19.95 6.25,20.95 7.125,20.95 16.675,20.95 17.55,20.95 5.85,21.85 17.95,21.85 5.85,22.85 17.95,22.85 17.65,24.95 6.15,25 18,25.625 6.875,25.95 101.4,32.3 101.4,33.4 104.2,33.7 101.5,34.4 102.7,34.4 103.9,34.7 100.075,35.825 116.875,37.475 58.5,40.825 68.675,40.825 73.75,40.825 83.9,40.825 78.875,40.85 108.4,40.9 97.4,43.4 99.75,43.425 97.4,44.3 99.75,44.325 32,47.675 117.7,47.675 30.35,48.35 33.625,48.35 116.05,48.35 119.325,48.35 29.675,50 34.325,50 115.375,50 120.025,50 109.05,50.25 103.15,51.6 30.35,51.625 116.05,51.625 33.625,51.65 119.325,51.65 32,52.325 117.7,52.325 93.925,54.975 74.6,56.1 70.55,73.1 40.1,78.1 41.6,78.1 29.2,78.2 30.9,78.2 49.4,78.2 51.1,78.2 28.2,79.1 30.1,79.1 48.4,79.1 50.3,79.1 39.5,79.2 37.7,79.3 31.5,79.4 32.9,79.4 34.4,79.4 41.6,79.4 43,79.4 44.5,79.4 51.7,79.4 53.1,79.4 54.6,79.4 30.2,80.3 40.3,80.3 50.4,80.3 30.2,82.1 40.3,82.1 50.4,82.1 27.9,83.1 29.2,83.1 38,83.1 39.3,83.1 48.1,83.1 49.4,83.1 3.5,94.175 1.85,94.85 5.125,94.85 1.175,96.5 5.825,96.5 105.175,96.5 109.825,96.5 1.85,98.125 105.85,98.125 5.125,98.15 109.125,98.15 3.5,98.825 107.5,98.825
  other v2: 7.6,1.3 26.8,1.3 41.2,1.3 49,1.3 63.4,1.3 71.2,1.3 85.6,1.3 93.4,1.3 107.8,1.3 114.4,1.3 128.4,1.3 21.7,6.5 1.4,7.8 118.025,10.7 119.025,10.7 118.025,11.7 119.025,11.7 31.804,21.275 32.904,21.275 34.004,21.275 35.104,21.275 36.204,21.275 54.004,21.275 55.104,21.275 56.204,21.275 57.304,21.275 58.404,21.275 76.204,21.275 77.304,21.275 78.404,21.275 79.504,21.275 80.604,21.275 98.404,21.275 99.504,21.275 100.604,21.275 101.704,21.275 102.804,21.275 31.804,22.375 32.904,22.375 34.004,22.375 35.104,22.375 36.204,22.375 54.004,22.375 55.104,22.375 56.204,22.375 57.304,22.375 58.404,22.375 76.204,22.375 77.304,22.375 78.404,22.375 79.504,22.375 80.604,22.375 98.404,22.375 99.504,22.375 100.604,22.375 101.704,22.375 102.804,22.375 31.804,23.475 32.904,23.475 34.004,23.475 35.104,23.475 36.204,23.475 54.004,23.475 55.104,23.475 56.204,23.475 57.304,23.475 58.404,23.475 76.204,23.475 77.304,23.475 78.404,23.475 79.504,23.475 80.604,23.475 98.404,23.475 99.504,23.475 100.604,23.475 101.704,23.475 102.804,23.475 9.704,29.075 10.804,29.075 11.904,29.075 13.004,29.075 14.104,29.075 9.704,30.175 10.804,30.175 11.904,30.175 13.004,30.175 14.104,30.175 9.704,31.275 10.804,31.275 11.904,31.275 13.004,31.275 14.104,31.275 1.275,36.25 104,37.925 105,37.925 104,38.925 1.3,40.1 118.075,41.025 119.175,41.025 118.075,42.125 120.275,42.125 118.075,43.225 119.175,43.225 120.275,43.225 1.3,50 25.05,52.3 50.8,55.2 44.175,55.225 1.3,60.5 24.3,63.8 1.3,70.8 25,75.4 60.95,81.5 62.45,81.5 70.3,81.5 71.8,81.5 80.35,81.5 81.85,81.5 61.7,82 71.05,82 81.1,82 60.95,82.5 62.45,82.5 70.3,82.5 71.8,82.5 80.35,82.5 81.85,82.5 1.3,83.3 20.5,90.2 1.3,92.1 8.6,98.7 20.5,98.7
  other v3: 41.525,17.25 63.725,17.25 85.925,17.25 108.125,17.25 26.525,17.275 48.725,17.275 70.925,17.275 93.125,17.275 19.425,25.05 4.425,25.075 91.5,35.3 95.25,35.3 93.375,36.9 111.7,57.3 114.5,57.4 117.7,57.4 106.1,58 108.7,58.1 103.4,58.6 110.6,59.2 113.1,59.2 119.5,59.2 121.2,60.8 114.3,61.1 110.7,61.2 121.7,72.5 118.1,76.1 122.1,76.4 89,78.2 90.6,78.2 92.2,78.2 87.1,79 88.2,79 89.8,79 91.4,79 114.3,79.9 118.4,80 87.1,80.1 87.1,81.2
HBP_HEATER: D65.2 R41.1 R42.2 U1.17 | length 93
  Top Layer w0.2: v2@51.098,72.198 cw(c50.79,71.89) 51.225,71.89 cw(c51.66,71.89) v2@51.352,72.198 ; v2(51.225,72.325) 51.225,68.564 53.291,66.498 53.503,66.498 54.176,65.824 U1.17@54.247,65.824 ; v2@89.423,71.327 ccw(c89.115,71.635) 89.55,71.635 ccw(c89.985,71.635) v2@89.677,71.327 ; v2(89.55,71.2) 89.55,73.35 R42.2@90.1,73.9 ; v2(110.6,52.375) 111.24,53.015 D65.2@111.24,53.806 ; v2@110.6,52.555 ccw(c110.6,52.99) 110.907,52.682 ccw(c111.215,52.375) v2@110.78,52.375
  Top Layer w0.3: R41.1@90.05,75.375 90.05,73.95 R42.2@90.1,73.9
  Signal Layer 1 w0.2: v2(51.225,72.325) 51.3,72.325 51.74,72.765 ; v2@51.233,72.565 ccw(c51.256,73.249) 51.74,72.765 ; v2@51.465,72.325 cw(c51.863,72.325) 51.582,72.607 ; v2@89.38,71.37 cw(c88.971,71.779) 88.971,71.2 cw(c88.971,70.621) 89.38,71.03 cw(c88.971,70.621) 89.55,70.621 cw(c90.129,70.621) v2@89.72,71.03 ; v2@110.39,52.26 ccw(c110.195,52.153) 110.195,52.375 ; v2@110.39,52.49 cw(c110.195,52.597) 110.195,52.375 ; v2(110.6,52.375) 110.195,52.375 ; 51.74,72.765 51.74,74.89 53.05,76.2 68.15,76.2 70.025,74.325 72.475,74.325 75.6,71.2 v2(89.55,71.2) 89.55,68.7 97.075,61.175 98.275,61.175 104.025,55.425 107.53,55.425 107.915,55.04 107.915,54.655 110.195,52.375